# Altium PCB CSU RevB_ASCII.PcbDoc (part 2 of 5)
Units mil, origin at the board's own origin, x right, y up, seen from the top; angles counter-clockwise.
Board outline 5905.51 x 4330.71 mil, 8 copper layers (Top Layer, InternalPlane1, MidLayer1, InternalPlane2, MidLayer2, InternalPlane3, MidLayer3, Bottom Layer); 265 components, 387 nets, 1910 pads, 1151 vias.
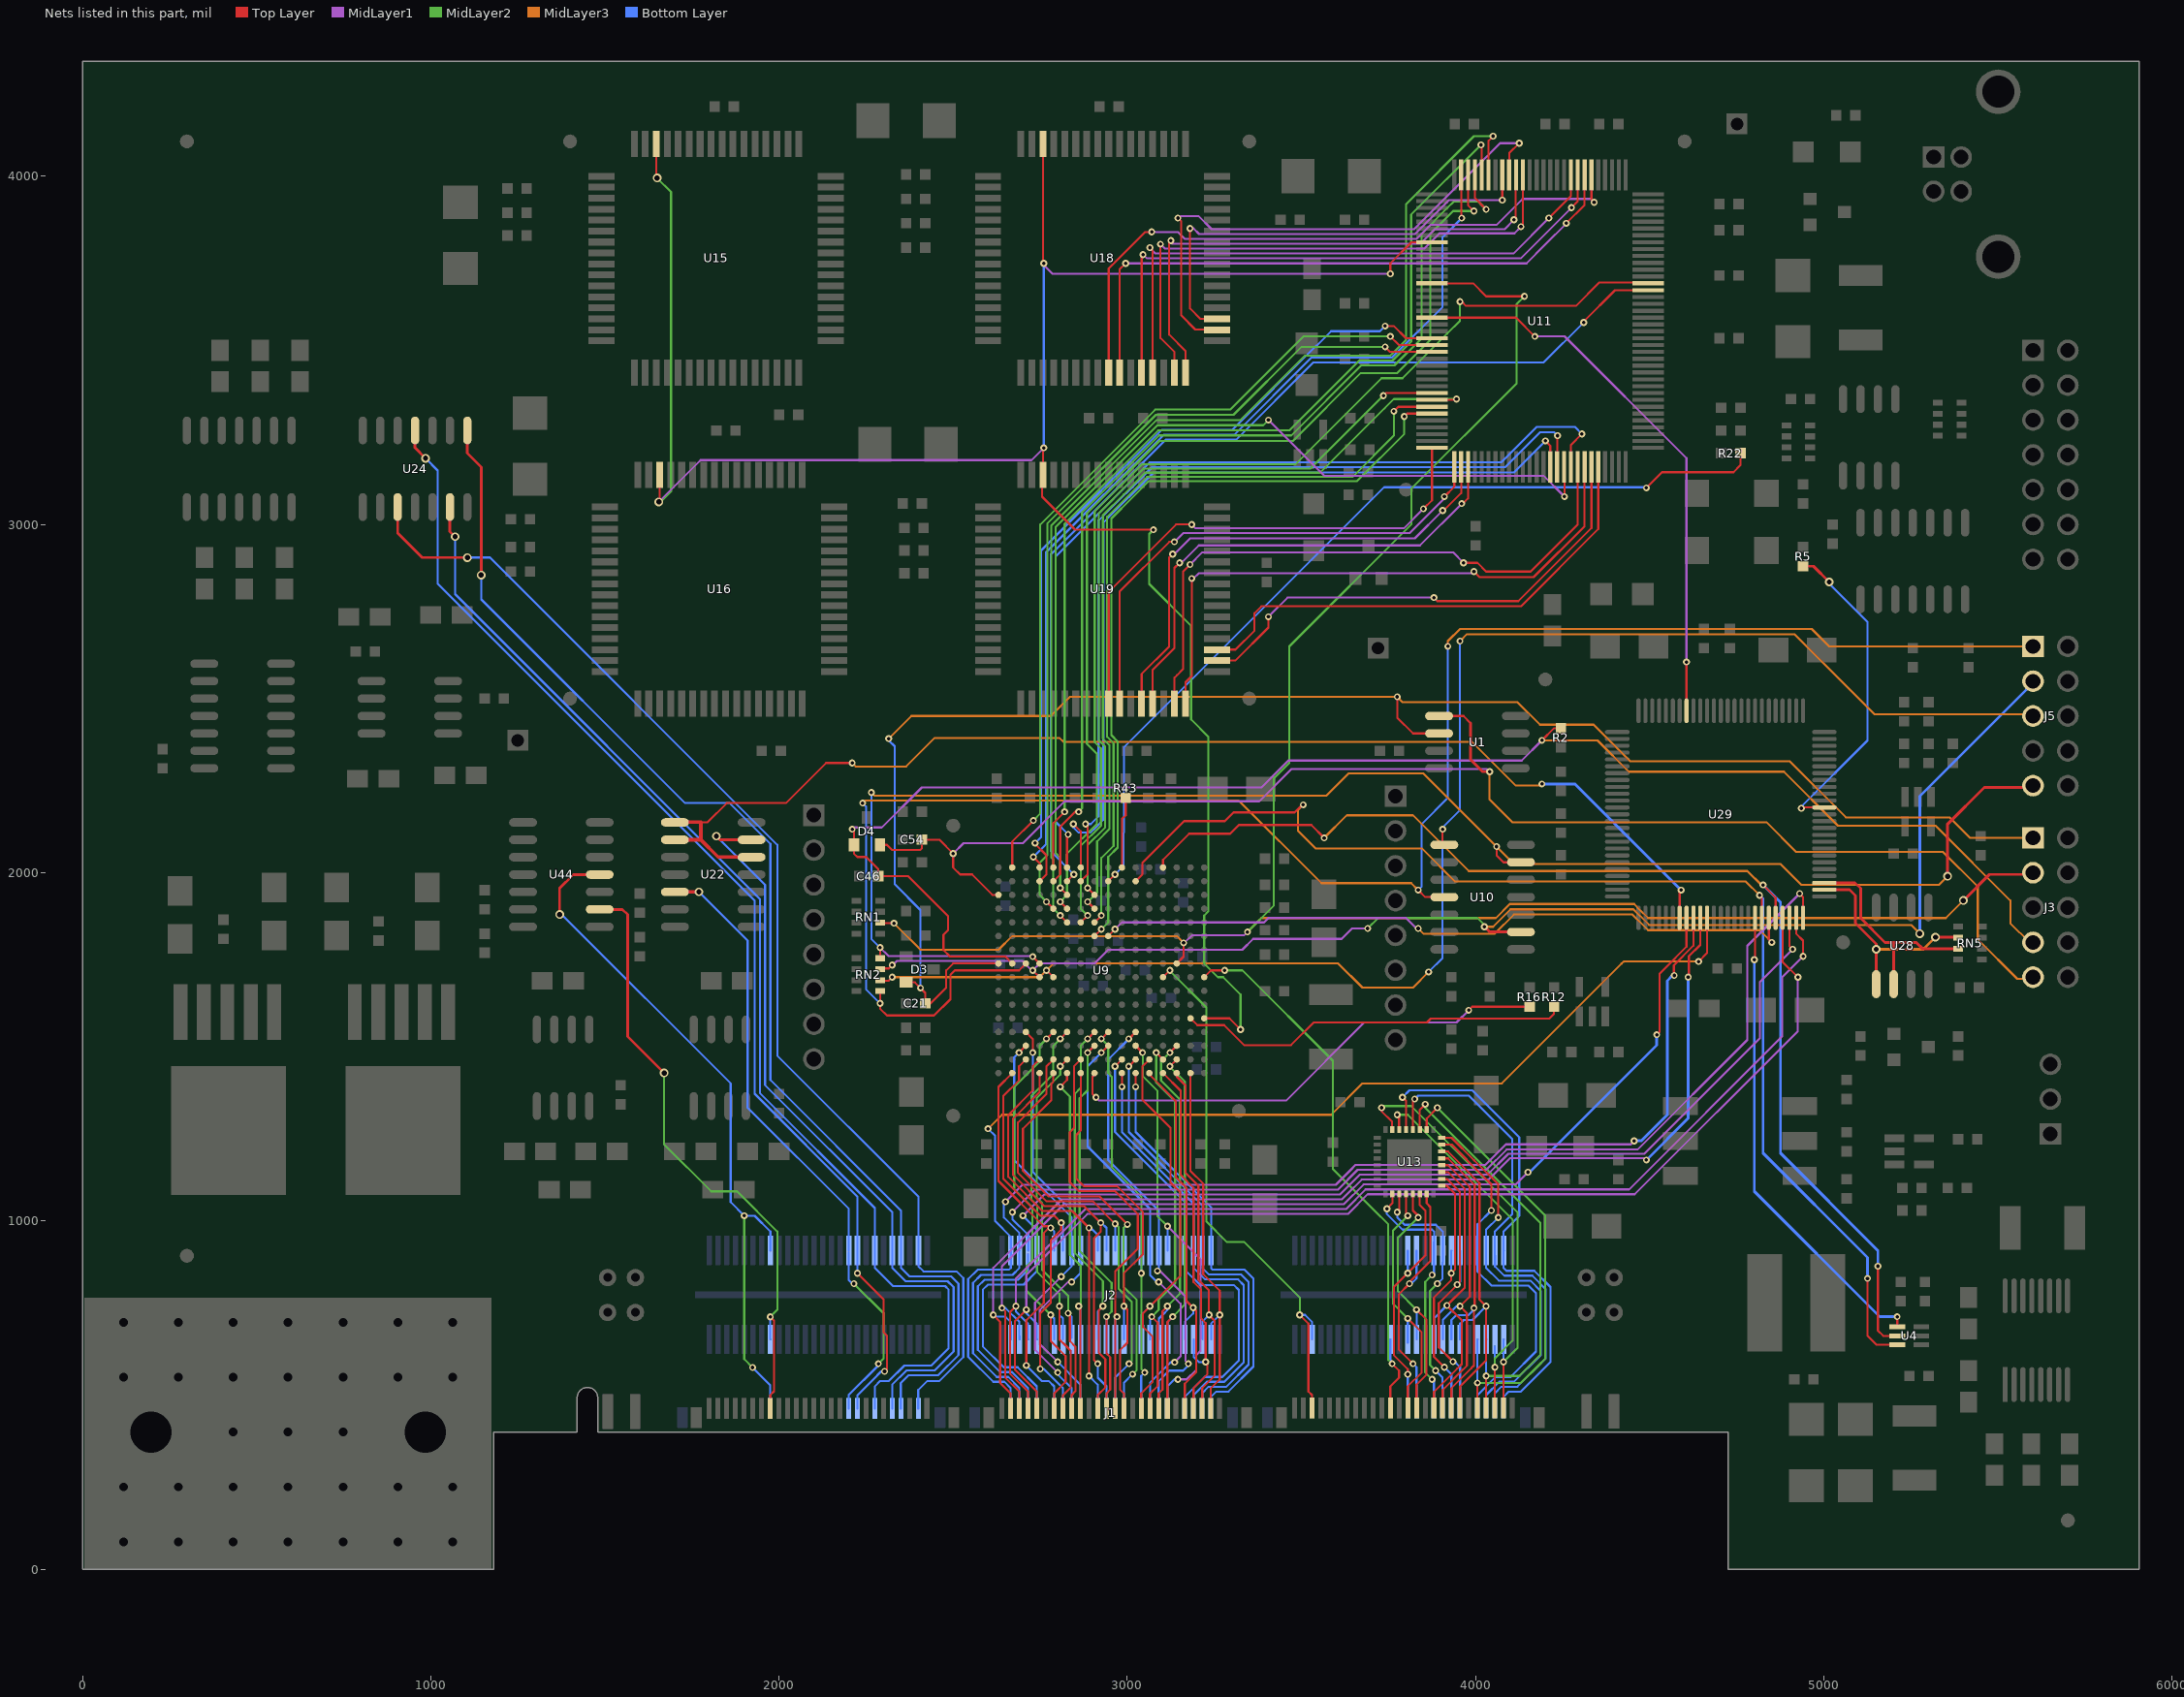
[diagram p8: the nets of this part, all layers, seen from the top]

## Via types
v1: diameter 20, hole 10, Top Layer to Bottom Layer, 647 vias
v2: diameter 25, hole 15, Top Layer to Bottom Layer, 352 vias
v3: diameter 20, hole 10, Top Layer to Bottom Layer, tented top, 151 vias
v4: diameter 20, hole 10, Top Layer to Bottom Layer, tented bottom, 1 vias

## Nets (pads, with @x,y where several pads share a name; then routed paths per layer and width w, separated by ;. In a path a pad name is that pad's centre, name@x,y a point inside that pad or via, vN(x,y) a via of type N, cw(c..) or ccw(c..) an arc to the next point about the centre after c; other vN are vias at no path point) (continued)
A_INP_SEL_N: U22.5 U22.8 U22.9 U29.57 | length 3570.2
  Top Layer w6: 1775,2145 1795,2145 1850,2200 2020,2200 2135,2315 v1(2210,2315) ; U29.57@4585.67,1870.51 4585.67,1945.67 v1(4590,1950)
  Top Layer w10: U22.8@1695,2150 1700,2145 1775,2145 1775.43,2144.57 1775.43,2094.57 ; U22.9@1701.14,2094.57 1775.43,2094.57 ; U22.5@1915,2045 1825,2045 1775.43,2094.57
  Top Layer w20: U22.5@1915,2045 U22.5@1925,2045
  MidLayer3 w6: v1(2210,2315) 2220,2305 2365,2305 2447.28,2387.28 2805,2387.28 2816.28,2376 3989,2376 4013.37,2351.63 4115,2250 4190,2250 v1(4190,2255)
  Bottom Layer w8: v1(4190,2255) 4285,2255 v1(4590,1950)
A_INTERFACE_RESET_N: J1.141 J2.141 U44.2 | length 1808.8
  Top Layer w6: J1.141@1974.71,461.79 J1.141@1974.71,470 ; v1(1974.71,724.71) 1985.71,713.71 1985.71,511 1975,500.29 J1.141@1975,470
  Top Layer w8: U44.2@1484.96,1894.57 1550.43,1894.57 1565,1880 1565,1530 v2(1670,1425)
  MidLayer2 w6: v2(1670,1425) 1670,1220 1805,1085 1880,1085 1995,970 1995,745 v1(1974.71,724.71)
  Bottom Layer w6: v1(1974.71,724.71) 1974.71,660.33 J2.141@1975.2,659.84
A_SCLK: J1.108 J2.108 U24.3 | length 3504.7
  Top Layer w8: U24.3@905,3050 905,2975 975,2905 v2(1105,2905)
  Bottom Layer w6: v2(1105,2905) 1170,2905 1995,2080 1995,1475 2400.2,1069.8 2400.2,869.8 2415,855 2510,855 2529,836 2529,609.2 2459.8,540 2425,540 2399.71,514.71 J1.108@2399.71,461.79
A_SIMO: J1.112 J2.112 U24.8 | length 3655.8
  Top Layer w8: U24.8@1105,3270 1105,3205 1145,3165 v2(1145,2855)
  Bottom Layer w6: v2(1145,2855) 1145,2785 1730,2200 1858.03,2200 1888.62,2169.41 1975,2083.03 1975,1405 2350.2,1029.8 2350.2,865 2374.2,841 2494,841 2515,820 2515,615 2457,557 2371.8,557 2349.71,534.91 J1.112@2349.71,461.79
A_SOMI: J1.114 J2.114 U22.6 | length 2222
  Top Layer w8: v2(1820,2105) 1830.43,2094.57 U22.6@1921.14,2094.57
  Bottom Layer w6: v2(1820,2105) 1960,1965 1960,1390 2325.2,1024.8 2325.2,865 2363.2,827 2484,827 2501,810 2501,625 2447,571 2366,571 2324.71,529.71 J1.114@2324.71,461.79
A_TCK: J5.1 RN2.1 U9.H3 U10.11 | length 5428.7
  Top Layer w6: RN2.1@2290.01,1660 2290.01,1635 v1(2290,1625) 2290.01,1609.99 2310,1590 2445,1590 2492,1637 2492,1707 2504.72,1719.72 2689.06,1719.72 U9.H3@2708.74,1739.41 ; v1(3835,1950) 3855,1930 U10.11@3910,1930
  MidLayer3 w6: v1(2240,2200) 2247,2207 3320,2207 3557,1970 3815,1970 v1(3835,1950) ; v1(3920,2650) 3920,2665 3955,2700 4965,2700 5015,2650 J5.1@5600,2650
  Bottom Layer w6: v1(2240,2200) 2249.7,2190.3 2249.7,1665.3 v1(2290,1625) ; v1(3835,1950) 3845,1960 3845,2140 3920,2215 v1(3920,2650)
A_TDI: J5.9 RN2.4 U9.H4 U10.6 | length 4774.8
  Top Layer w6: RN2.4@2290.01,1754.49 v1@2290.01,1784.99 ; v3(2728.43,1759.09) U9.H4@2748.11,1739.41 ; v1(4060,2075) 4060,2050 4080,2030 U10.6@4130,2030 U10.6@4135,2030
  Top Layer w8: v2(5355,1990) 5355,2140 5460,2245 5595,2245 J5.9@5600,2250
  MidLayer1 w6: v1(2290,1785) 2313.91,1761.09 2726.43,1761.09 v3(2728.43,1759.09)
  MidLayer3 w6: v1(2265,2230) 2274,2221 3571,2221 3635,2285 3850,2285 v1(4060,2075) 4110,2025 4875,2025 4935,1965 5330,1965 v2(5355,1990)
  Bottom Layer w6: v1(2265,2230) 2265,1810 v1(2290,1785)
A_TDO: J5.3 RN2.3 U9.J4 U10.2 | length 4126.9
  Top Layer w6: RN2.3@2290.01,1725 2315,1725 v1(2325,1735) ; v3(2728.43,1719.72) U9.J4@2748.11,1700.04
  Top Layer w8: v1(4025,1845) 4040,1830 U10.2@4130,1830
  MidLayer1 w6: v1@2326.97,1735 2339.07,1747.09 2697.91,1747.09 2725.28,1719.72 v3(2728.43,1719.72) ; v3@2729.72,1719.72 2729.72,1721.02 2748.11,1739.41 2905.59,1739.41 2944.96,1778.78 3330,1778.78 3361.22,1810 3615,1810 3645,1840 v1(3690,1840)
  MidLayer2 w6: v1(3690,1840) 3720,1870 4005,1870 4025,1850 v1(4025,1845)
  MidLayer3 w6: v1(4025,1845) 4050,1845 4100,1895 4453.03,1895 4498.03,1850 5250,1850 v2(5275,1825)
  Bottom Layer w8: v2(5275,1825) 5275,2220 5595,2540 5595,2545 J5.3@5600,2550
A_TMS: J5.5 RN2.2 U9.J5 U10.8 | length 4455.7
  Top Layer w6: RN2.2@2290,1690 2315,1690 v1(2325,1700) ; v3(2767.8,1719.72) U9.J5@2787.48,1700.04 ; v1(3905,2125) 3905,2085 U10.8@3910,2080
  MidLayer3 w6: v1(2325,1700) 2459.96,1700 2460,1700.04 2748.11,1700.04 v3(2767.8,1719.72) 2787.48,1739.41 3605.59,1739.41 3675,1670 3820,1670 v1(3865,1715) ; v1(3955,2665) 3975,2685 4915,2685 5145,2455 5595,2455 J5.5@5600,2460
  Bottom Layer w6: v1(3865,1715) 3905,1755 3905,2130 3955,2180 v1(3955,2665)
ADC_1_DAT0: J1.55 J2.55 U9.T15 | length 1088.2
  Top Layer w6: U9.T15@3181.18,1424.45 3181.18,1143.82 3218,1107 3218,847 3265,800 3265,545 3239.86,519.86 J1.55@3239.86,461.79
  Bottom Layer w6: J2.55@3240.35,659.84 3240.35,705.35 v1(3265,730)
ADC_1_DAT1: J1.57 J2.57 U9.T14 | length 1101.2
  Top Layer w6: U9.T14@3141.81,1424.45 3141.81,1414.37 3167.18,1389 3167.18,1138.02 3204,1101.2 3204,831 3234.02,800.98 3234.02,730 3251,713.02 3251,556 3215,520 3215,461.93 J1.57@3214.86,461.79
  Bottom Layer w6: J2.57@3215.35,659.84 3215.35,710.35 v1(3235,730)
ADC_1_DAT2: J1.59 J2.59 U9.T13 | length 1128
  Top Layer w6: U9.T13@3102.44,1424.45 3153.18,1373.71 3153.18,1132.02 3190,1095.2 3190,825 3211.86,803.14 3211.86,720 3225,706.86 v1(3225,595) ; J1.59@3189.86,461.79 3189.86,519.86 3230,560 3230,595 v1@3225,600
  Bottom Layer w6: J2.59@3190.35,659.84 3190.35,609.65 3205,595 v1(3225,595)
ADC_1_DAT3: J1.61 J2.61 U9.T12 | length 1133.1
  Top Layer w6: U9.T12@3063.07,1424.45 3063.07,1420.11 3139.18,1344 3139.18,1125.82 3170,1095 3170,770 3197.86,742.14 3197.86,566 3164.86,533 J1.61@3164.86,461.79
  Bottom Layer w6: J2.61@3165.35,659.84 3165.35,710.58 3189,734.22 v1(3189,751)
ADC_1_DAT4: J1.65 J2.65 U9.R14 | length 1120.9
  Top Layer w6: J1.65@3114.86,461.79 3114.86,709.86 v1(3130,725) ; v3(3122.13,1444.13) U9.R14@3141.81,1463.82
  MidLayer2 w6: v3(3122.13,1444.13) 3122.13,1442.87 3165,1400 3165,760 v1(3130,725)
  Bottom Layer w6: J2.65@3115.35,659.84 3115,659.49 3115,710 v1(3130,725)
ADC_1_DAT5: J1.67 J2.67 U9.P14 | length 1213.4
  Top Layer w6: J1.67@3089.86,461.79 3089.86,505 3100.86,516 3100.86,740.86 v1(3115,755) ; v3(3122.13,1483.5) U9.P14@3141.81,1503.19
  MidLayer2 w6: v1(3115,755) 3151,791 3151,1348.76 3096.76,1403 3096.76,1458.13 v3(3122.13,1483.5)
  Bottom Layer w6: J2.67@3090.35,659.84 3090.35,719.83 3103.15,732.63 ; 3103.03,732.51 3115,744.48 v1(3115,755)
ADC_1_DAT6: J1.69 J2.69 U9.R13 | length 1183.2
  Top Layer w6: J1.69@3064.86,461.79 3064.86,504 3086.86,526 3086.86,708.14 v1(3070,725) ; v3(3082.76,1483.5) U9.R13@3102.44,1463.82
  MidLayer2 w6: v1(3070,725) 3090,745 3090,774 3137,821 3137,1342.96 3082.76,1397.2 v3(3082.76,1483.5)
  Bottom Layer w6: J2.69@3065.35,659.84 3065,660.2 3065,715 3070,720 v1(3070,725)
ADC_1_DAT7: J1.71 J2.71 U9.R12 | length 1219.6
  Top Layer w6: J1.71@3039.86,461.79 3039.86,504.86 3072.86,537.86 3072.86,667.14 3045,695 3045,735 3151.48,841.48 3151.48,1083.52 3124,1111 3124,1267 3043.39,1347.61 3043.39,1444.13 U9.R12@3063.07,1463.82
  Bottom Layer w6: J2.71@3040,670 3040,730 v1(3065,755)
ADC_2_DAT0: J1.56 J2.56 U9.T11 | length 1227.8
  Top Layer w6: v1(3023.7,1385.08) U9.T11@3023.7,1424.45
  Bottom Layer w6: v1(3023.7,1385.08) 3023.7,1255.7 3240.35,1039.04 J2.56@3240.35,914.96 3240.35,864.65 3245,860 3337,860 3362,835 3362,582 3290,510 3255,510 3239.86,494.86 J1.56@3239.86,461.79
ADC_2_DAT1: J1.58 J2.58 U9.R11 | length 1291.7
  Top Layer w6: v3(3004.02,1444.13) U9.R11@3023.7,1463.82
  Bottom Layer w6: v3(3004.02,1444.13) 3004.02,1424.45 3004.02,1255.58 3215.35,1044.24 3215.35,932.32 3215.35,865 3234.35,846 3327,846 3348,825 3348,587.8 3284.2,524 3233.6,524 3214.86,505.27 J1.58@3214.86,461.79
ADC_2_DAT2: J1.60 J2.60 U9.T10 | length 1252.3
  Top Layer w6: v1(2984.33,1385.08) U9.T10@2984.33,1424.45
  Bottom Layer w6: v1(2984.33,1385.08) 2984.33,1255.47 3030.17,1209.62 3190.35,1049.44 J2.60@3190.35,914.96 3190.35,865 3223.35,832 3318,832 3334,816 3334,593.6 3278.4,538 3227.8,538 3189.86,500.06 J1.60@3189.86,461.79
ADC_2_DAT3: J1.62 J2.62 U9.R10 | length 1307.9
  Top Layer w6: v3(2964.65,1444.13) U9.R10@2984.33,1463.82
  Bottom Layer w6: v3(2964.65,1444.13) 2964.65,1255.35 3018.78,1201.22 3165,1055 3165,915.31 J2.62@3165.35,914.96 ; J1.62@3164.86,461.79 3164.86,494.86 3222,552 3272.6,552 3320,599.4 3320,802 3305.85,816.15 3208.85,816.15 3165,860 J2.62@3165,914.61
ADC_2_DAT4: J1.66 J2.66 U9.P11 | length 1248.5
  Top Layer w6: U9.P11@3023.7,1503.19 v3(3043.39,1483.5)
  MidLayer1 w6: v1(3115.35,985) 3210,890.35 3210,627 3198,615 3198,572.99 3170,545 v1(3145,545)
  MidLayer2 w6: v3(3043.39,1483.5) 3045,1481.89 3045,1415.16 3086,1374.16 3086,1014.35 v1(3115.35,985)
  Bottom Layer w6: J1.66@3114.86,461.79 3114.86,524.86 3135,545 v1(3145,545) ; J2.66@3115.35,914.96 v1(3115.35,985)
ADC_2_DAT5: J1.68 J2.68 U9.N11 | length 1275
  Top Layer w6: v3(3004.02,1522.87) U9.N11@3023.7,1542.56
  MidLayer1 w6: v1(3086.35,856.35) 3093.65,856.35 3166.85,783.15 3166.85,598.15 v1(3175,590)
  Bottom Layer w6: v3(3004.02,1522.87) 2944.96,1463.82 2944.96,1174.64 2977.72,1141.88 3090.35,1029.24 3090.35,932.32 3090.35,860.35 v1(3086.35,856.35) ; J1.68@3089.86,461.79 3089.86,539.86 3110.18,560.18 3120,570 3160,570 3175,585 v1(3175,590)
ADC_2_DAT6: J1.70 J2.70 U9.P9 | length 1228.5
  Top Layer w6: v3(2925.28,1483.5) U9.P9@2944.96,1503.19 ; v1(3135.86,594.14) v1@3140,590
  MidLayer1 w6: v1(3089.94,825) 3090,825 3142.81,772.19 3152.85,762.15 3152.85,611.12 v1(3135.86,594.14)
  Bottom Layer w6: v3(2925.28,1483.5) 2885.91,1444.13 2885.91,1213.89 2950.11,1149.69 3065.35,1034.44 3065.35,912.64 3065.35,844.65 3085,825 v1(3089.94,825) ; J1.70@3064.86,461.79 3064.86,495 3065,495.14 3065,535 3108.36,578.36 3124.14,594.14 v1(3135.86,594.14)
ADC_2_DAT7: J1.72 J2.72 U9.N9 | length 1209.7
  Top Layer w6: v3(2925.28,1522.87) U9.N9@2944.96,1542.56
  MidLayer2 w6: v3(2925.28,1522.87) 2944.96,1503.19 2944.96,1424.45 2955.13,1414.28 2955.13,1154.98 3040,1070.12 v1(3040,850) 3040.9,849.1 3040.9,574.1 v1(3050,565)
  Bottom Layer w6: J1.72@3039.86,461.79 3039.86,554.86 v1(3050,565) ; v1(3040,850) J2.72@3040,914.96
ADC_3_DAT0: J1.75 J2.75 U9.T7 | length 1237.5
  Top Layer w6: U9.T7@2866.22,1424.45 2866.22,1259.5 2854,1247.28 2854,1121 2875,1100 2970,1100 3045,1025 3045,905 2990,850 v1(2990,755) 3000,745 3000,650 2978.86,628.86 2978.86,516.14 2989.86,505.14 J1.75@2989.86,461.79
  Bottom Layer w6: J2.75@2990.35,659.84 v1@2990.35,754.65
ADC_3_DAT1: J1.77 J2.77 U9.R7 | length 1262.8
  Top Layer w6: U9.R7@2866.22,1463.82 2846.54,1444.13 2846.54,1266.54 2835,1255 2835,1111 2860,1086 2964,1086 3030,1020 3030,920 2964.86,854.86 J1.77@2964.86,461.79 ; 2964.86,735 2970,729.86 v1(2970,725)
  Bottom Layer w6: J2.77@2965.35,659.84 2965.35,720.35 v1(2970,725)
ADC_3_DAT2: J1.79 J2.79 U9.P8 | length 1177.7
  Top Layer w6: v3(2885.91,1483.5) U9.P8@2905.59,1503.19 ; J1.79@2939.86,461.79 2939.86,480 2940,480.14 2940,505.14 2950.86,516 2950.86,608.73 2940,619.6 v1(2940,725)
  MidLayer2 w6: v3(2885.91,1483.5) 2885.91,1375 2863,1352.09 2863,914.03 2955,822.03 2955,740 v1(2940,725)
  Bottom Layer w6: v1(2940,725) 2940.35,724.65 J2.79@2940.35,659.84
ADC_3_DAT3: J1.81 J2.81 U9.N8 | length 1260.9
  Top Layer w6: v3(2885.91,1522.87) U9.N8@2905.59,1542.56 ; J1.81@2914.86,461.79 2914.86,499.86 2936.86,521.86 2936.86,602.94 2918,621.8 2918,743 v1(2930,755)
  MidLayer2 w6: v3(2885.91,1522.87) 2866.22,1503.19 2866.22,1382.22 2849,1365 2849,908.23 2930,827.23 v1(2930,755)
  Bottom Layer w6: J2.81@2915.35,659.84 2915.35,740.35 v1(2930,755)
ADC_3_DAT4: J1.85 J2.85 U9.T6 | length 1097.7
  Top Layer w6: v1(2807.17,1385.08) 2826.85,1404.76 U9.T6@2826.85,1424.45 ; v1(2860,755) 2865,750 2865,510 ; J1.85@2864.86,461.79 2864.86,510
  MidLayer2 w6: v1(2807.17,1385.08) 2835,1357.24 2835,902.43 2866.22,871.21 2866.22,761.22 v1(2860,755)
  Bottom Layer w6: v1(2860,755) 2865,750 2865,660.2 J2.85@2865.35,659.84 J2.85@2865.35,660.2
ADC_3_DAT5: J1.87 J2.87 U9.R6 | length 1164.5
  Top Layer w6: v3(2807.17,1444.13) U9.R6@2826.85,1463.82 ; v1(2830,735) 2835,730 2835,655 2850.86,639.14 2850.86,510.86 2840,500 J1.87@2840,460 ; J1.87@2839.86,461.79 J1.87@2840,461.93
  MidLayer2 w6: v3(2807.17,1444.13) 2807.17,1420.59 2740,1353.42 2740,1066.6 2755,1051.6 2755,860 2830,785 v1(2830,735)
  Bottom Layer w6: v1(2830,735) 2840,725 J2.87@2840,665
ADC_3_DAT6: J1.89 J2.89 U9.N6 | length 1278.4
  Top Layer w6: v1(2805,755) 2805,660 2824.55,640.45 2836.86,628.14 2836.86,521 2814.86,499 J1.89@2814.86,461.79 ; v3(2807.17,1522.87) U9.N6@2826.85,1542.56
  MidLayer2 w6: v1(2805,755) 2805,790 2741,854 2741,1045.8 2725,1061.8 2725,1360 2787.48,1422.48 2787.48,1503.19 v3(2807.17,1522.87)
  Bottom Layer w6: v1(2805,755) 2805,730 2815.35,719.65 J2.89@2815.35,659.84 J2.89@2815,660.2
ADC_3_DAT7: J1.91 J2.91 U9.N5 | length 1290.6
  Top Layer w6: v3(2767.8,1522.87) U9.N5@2787.48,1542.56 ; v1(2780,730) 2780,655 2822.86,612.14 2822.86,537.86 2789.86,504.86 J1.91@2789.86,461.79
  MidLayer2 w6: v3(2767.8,1522.87) 2748.11,1503.19 2748.11,1458.11 2675,1385 2675,1092 2727,1040 2727,886 2710.69,869.69 2710.69,799.31 v1(2780,730)
  Bottom Layer w6: v1(2780,730) 2790,720 J2.91@2790,660 ; J2.91@2790,660.2 J2.91@2790.35,659.84 J2.91@2790.35,660
ADC_4_DAT0: J1.76 J2.76 U9.T5 | length 1323.5
  Top Layer w6: U9.T5@2787.48,1424.45 2787.48,1399.68 2781.8,1394 2781.8,1346.8 2700,1265 2700,1143.99 2773.2,1070.8 2919.56,1070.8 3000,990.35 v1(3000,990)
  MidLayer2 w6: v1(3000,990) 2989,979 2989,811 3026.9,773.1 3026.9,571.9 v1(3015,560)
  Bottom Layer w6: J1.76@2989.86,461.79 2989.86,534.86 v1(3015,560) ; J2.76@2990.35,914.96 2990.35,980.35 v1(3000,990)
ADC_4_DAT1: J1.78 J2.78 U9.R5 | length 1354.2
  Top Layer w6: U9.R5@2787.48,1463.82 2767.8,1444.13 2767.8,1364.56 2686,1282.77 2686,1138.2 2767.4,1056.8 2900.2,1056.8 v1(2965,992)
  MidLayer2 w6: v1(2965,992) 2975,982 2975,805 3012.9,767.1 3012.9,597.9 v1(3005,590)
  Bottom Layer w6: J1.78@2964.86,461.79 2964.86,549.86 v1(3005,590) ; J2.78@2965,920 v1(2965,992) ; J2.78@2965.35,914.96 J2.78@2965.35,920
ADC_4_DAT2: J1.80 J2.80 U9.T4 | length 1266.3
  Top Layer w6: U9.T4@2748.11,1424.45 2748.11,1370.11 2672,1294 2672,1132.4 2761.6,1042.8 2875.74,1042.8 v1(2923.54,995) 2923.54,969.54 2904,950 2904,601 v1(2915,590)
  Bottom Layer w6: v1(2915,590) 2915,549.8 2940,524.8 J1.80@2940,470 ; v1@2925.35,995 2940.35,980 J2.80@2940.35,914.96
ADC_4_DAT3: J1.82 J2.82 U9.R4 | length 1274.2
  Top Layer w6: U9.R4@2748.11,1463.82 2728.43,1444.13 2728.43,1374.43 2658,1304 2658,1126.6 2755.8,1028.8 2841.2,1028.8 v1(2890,980) v1(2890,555)
  Bottom Layer w6: v1(2890,555) 2914.86,530.14 J1.82@2914.86,461.79 ; v1(2890,980) 2895,975 2900,975 2915.35,959.65 J2.82@2915.35,914.96
ADC_4_DAT4: J1.86 J2.86 U9.N3 | length 1247.7
  Top Layer w6: U9.N3@2708.74,1542.56 2728.43,1522.87 v3(2728.43,1483.5)
  MidLayer1 w6: v1(2800,595) 2749,646 2749,744 2830,825 v1(2840,825)
  Bottom Layer w6: v3(2728.43,1483.5) 2728.43,1141.18 2773.1,1096.5 2865.35,1004.25 2865.35,912.64 2865.35,850.35 v1(2840,825) ; v1(2800,595) 2864.86,530.14 J1.86@2864.86,461.79
ADC_4_DAT5: J1.88 J2.88 U9.P3 | length 1218.3
  Top Layer w6: v3(2689.06,1483.5) U9.P3@2708.74,1503.19
  MidLayer1 w6: v1(2800,565) 2735,630 2735,765 v4(2810,840)
  Bottom Layer w6: v3(2689.06,1483.5) 2688.5,1483.5 2675,1470 2675,1174.8 2714.75,1135.05 2840.35,1009.45 2840.35,912.64 2840.35,870.35 v4(2810,840) ; v1(2800,565) 2795,565 2839.86,520.14 J1.88@2839.86,461.79
ADC_4_DAT6: J1.90 J2.90 U9.R3 | length 1261
  Top Layer w6: U9.R3@2708.74,1463.82 2689.06,1444.13 2689.06,1404.06 2644,1359 2644,1120.8 2750,1014.8 2790.2,1014.8 v1(2810,995) 2810,975 2800,965 ; v1(2750,575) 2750,735.2 2780,765.2 2780,944.65 2800.18,964.82
  Bottom Layer w6: v1(2750,575) 2760,575 2815,520 2815,475.14 2814.86,475 J1.90@2814.86,461.79 ; v1(2810,995) 2815.35,989.65 J2.90@2815.35,914.96
ADC_4_DAT7: J1.92 J2.92 U9.T2 | length 1198.6
  Top Layer w6: U9.T2@2669.41,1424.41 U9.T2@2670,1425 ; U9.T2@2669.37,1424.45 2630,1385.08 2630,1115 2760,985 v1@2780,985 ; v1(2710,585) 2710,715 2760,765 2760,965 v1@2780,985 ; v1(2780,980) v1@2780,985
  Bottom Layer w6: v1(2710,585) 2755,540 2775,540 2790,525 J1.92@2790,465 ; v1(2780,980) 2790.35,969.65 J2.92@2790.35,914.96
ADDR0: U9.C8 U11.94 | length 2231.9
  Top Layer w6: v3(2885.91,1955.94) U9.C8@2905.59,1936.26 ; v1(3735,3370) 3742.48,3377.48 U11.94@3874.45,3377.48
  MidLayer2 w6: v3(2885.91,1955.94) 2885.91,2079.63 2936.33,2130.06 2936.33,2361.82 2918,2380.15 2918,3031.97 3006.75,3120.72 3046.6,3160.57 3525.57,3160.57 v1(3735,3370)
ADDR1: U9.D8 U11.95 | length 2396.7
  Top Layer w6: v3(2885.91,1916.57) U9.D8@2905.59,1896.89 ; U11.95@3874.45,3357.8 3942.8,3357.8 v1(3945,3360)
  MidLayer2 w6: v3(2885.91,1916.57) 2886.85,1916.57 2913.28,1943 2913.28,2090.03 2948.33,2125.09 2948.33,2366.79 2930,2385.12 2930,3027 2989.45,3086.45 3051.57,3148.57 3553.57,3148.57 3738.55,3333.55 3765,3360 v1(3945,3360)
ADDR2: U9.E8 U11.96 | length 2299.2
  Top Layer w6: U9.E8@2905.59,1857.52 v3(2925.28,1877.2) ; v1(3765,3325) 3778.11,3338.11 U11.96@3874.45,3338.11
  MidLayer2 w6: v3(2925.28,1877.2) 2925.28,2042.29 2960.33,2077.34 2960.33,2371.76 2942,2390.09 2942,3022.03 3056.54,3136.57 3646.57,3136.57 3765,3255 v1(3765,3325)
ADDR3: U9.F8 U11.97 | length 2308.7
  Top Layer w6: U9.F8@2905.59,1818.15 v3(2925.28,1837.83) ; v1(3795,3310) 3803.43,3318.43 U11.97@3874.45,3318.43
  MidLayer2 w6: v3(2925.28,1837.83) 2944.96,1857.52 2944.96,2045 2972.33,2072.37 2972.33,2376.73 2954,2395.06 2954,3017.06 3015.01,3078.07 3061.51,3124.57 3659.57,3124.57 3795,3260 v1(3795,3310)
ADDR4: U9.A7 U11.117 | length 2551
  Top Layer w6: v1(2845,2140) 2866.22,2118.78 U9.A7@2866.22,2015 ; v1(4200,3240) 4214.25,3225.75 U11.117@4214.25,3165.63
  Bottom Layer w6: v1(2845,2140) 2845,2130 2860,2115 2894,2115 2908.52,2129.52 2931.16,2152.16 2931.16,3005.27 3075,3149.11 4109.11,3149.11 v1(4200,3240)
ADDR5: U9.B7 U11.118 | length 2587.2
  Top Layer w6: U9.B7@2866.22,1975.63 2885.91,1995.32 2885.91,2134.09 v1(2880,2140) ; U11.118@4233.94,3165.63 4233.94,3253.94 v1(4235,3255)
  Bottom Layer w6: v1(2880,2140) 2895,2140 2917.16,2162.16 2917.16,3011.07 3070.8,3164.71 4084.71,3164.71 4185,3265 4225,3265 v1(4235,3255)
ADDR6: U9.C6 U11.119 | length 2835.7
  Top Layer w6: v3(2807.17,1955.94) U9.C6@2826.85,1936.26 ; U11.119@4253.62,3165.63 4255,3164.25 v1(4255,3080)
  MidLayer1 w6: v1(3405,3300) 3565,3140 4195,3140 v1(4255,3080)
  MidLayer2 w6: v3(2807.17,1955.94) 2807.17,2042.83 2794,2056 2794,2992.82 3086.18,3285 3390,3285 v1(3405,3300)
ADDR7: U9.A6 U11.120 | length 2689.6
  Top Layer w6: U9.A6@2826.85,2015 2826.85,2106.85 v1(2830,2110) ; U11.120@4273.31,3165.63 4273.31,3228.31 v1(4305,3260)